# KiCad board dasic.kicad_pcb
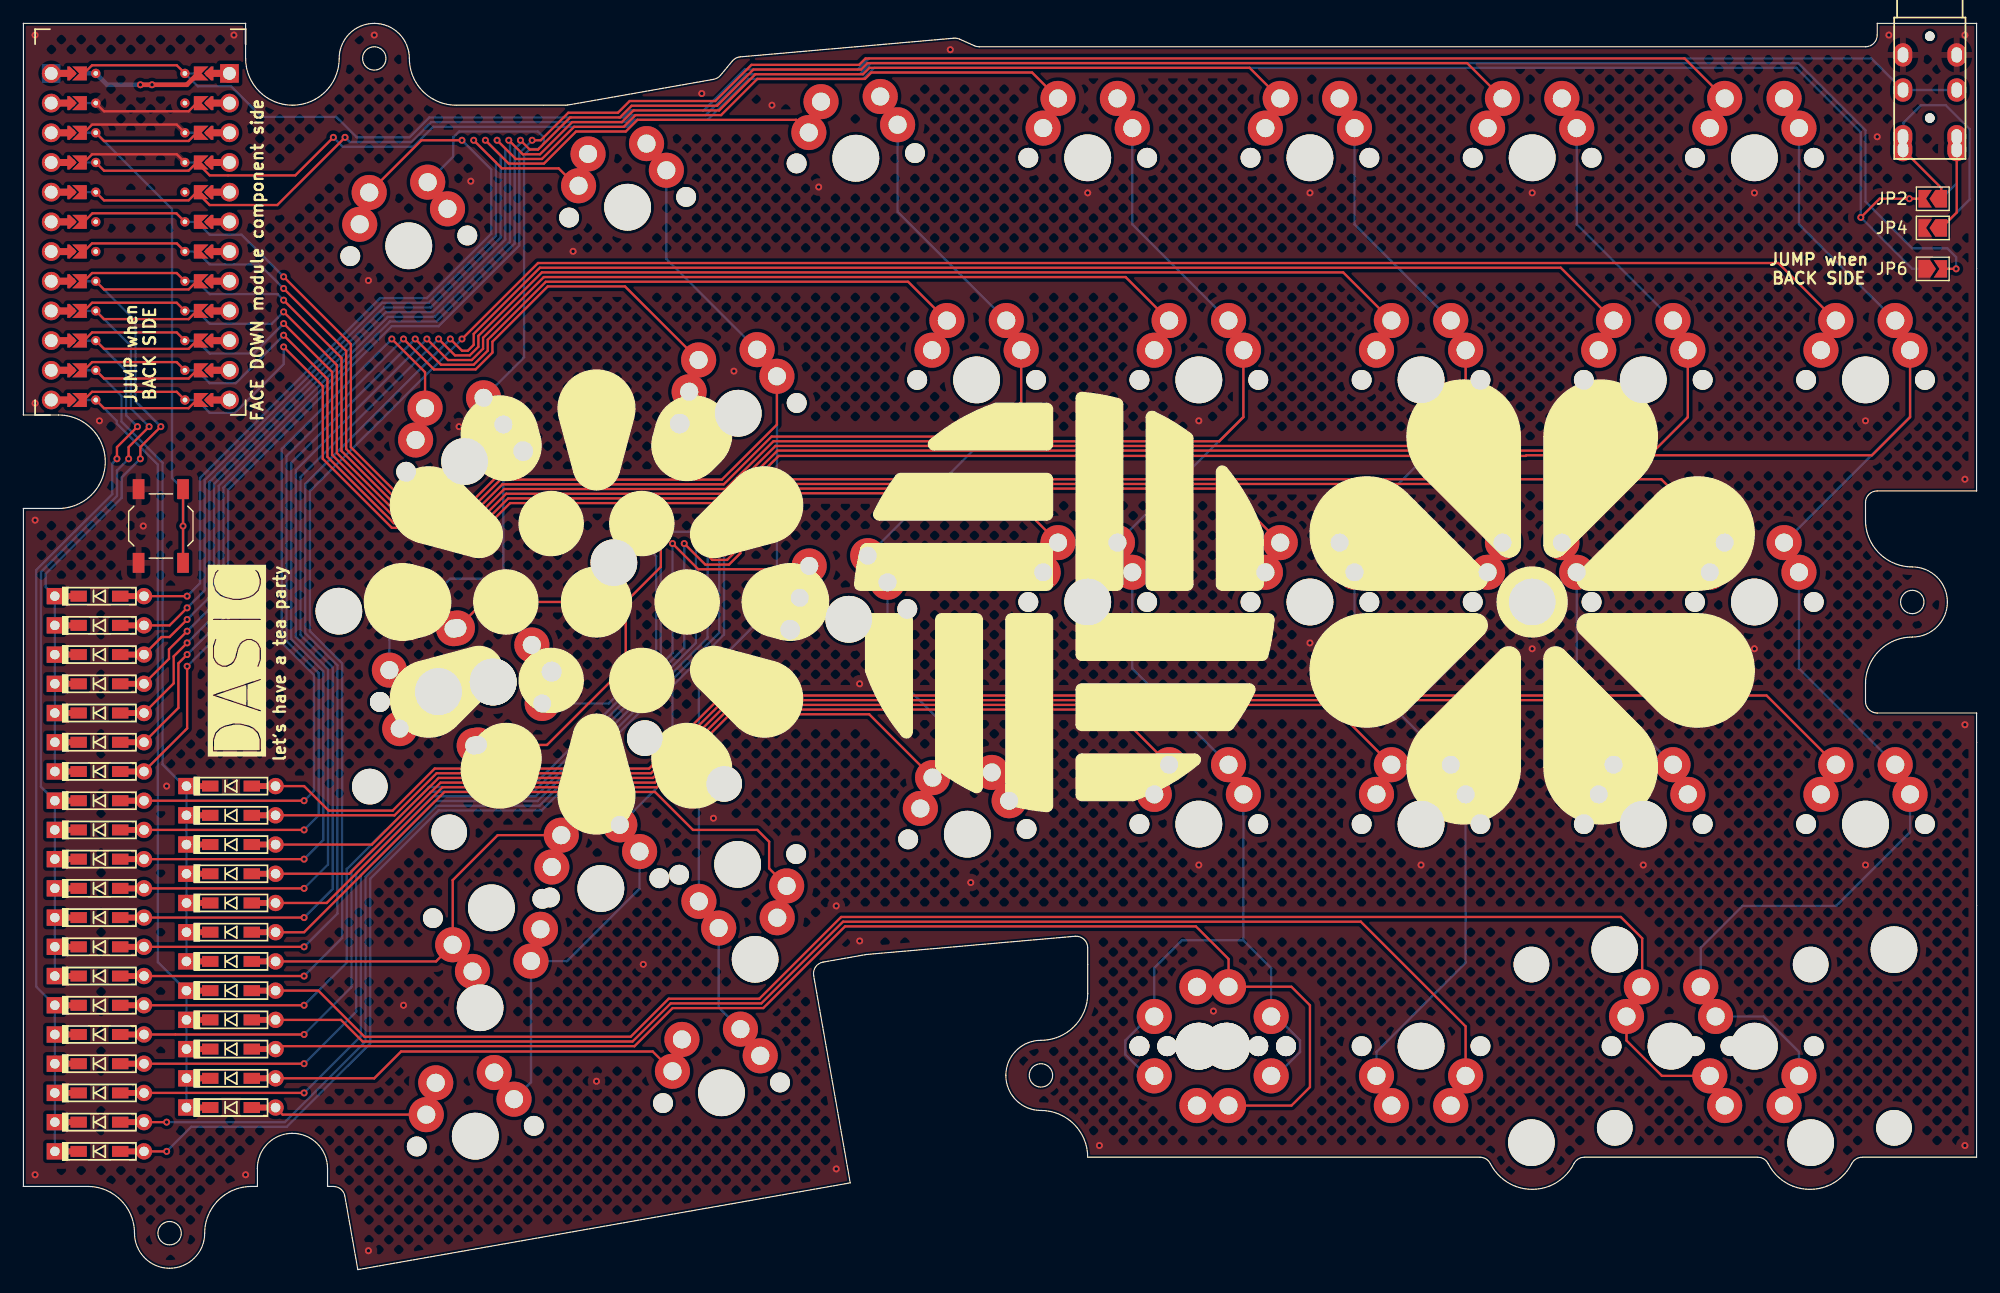
[diagram p0: board, top side]
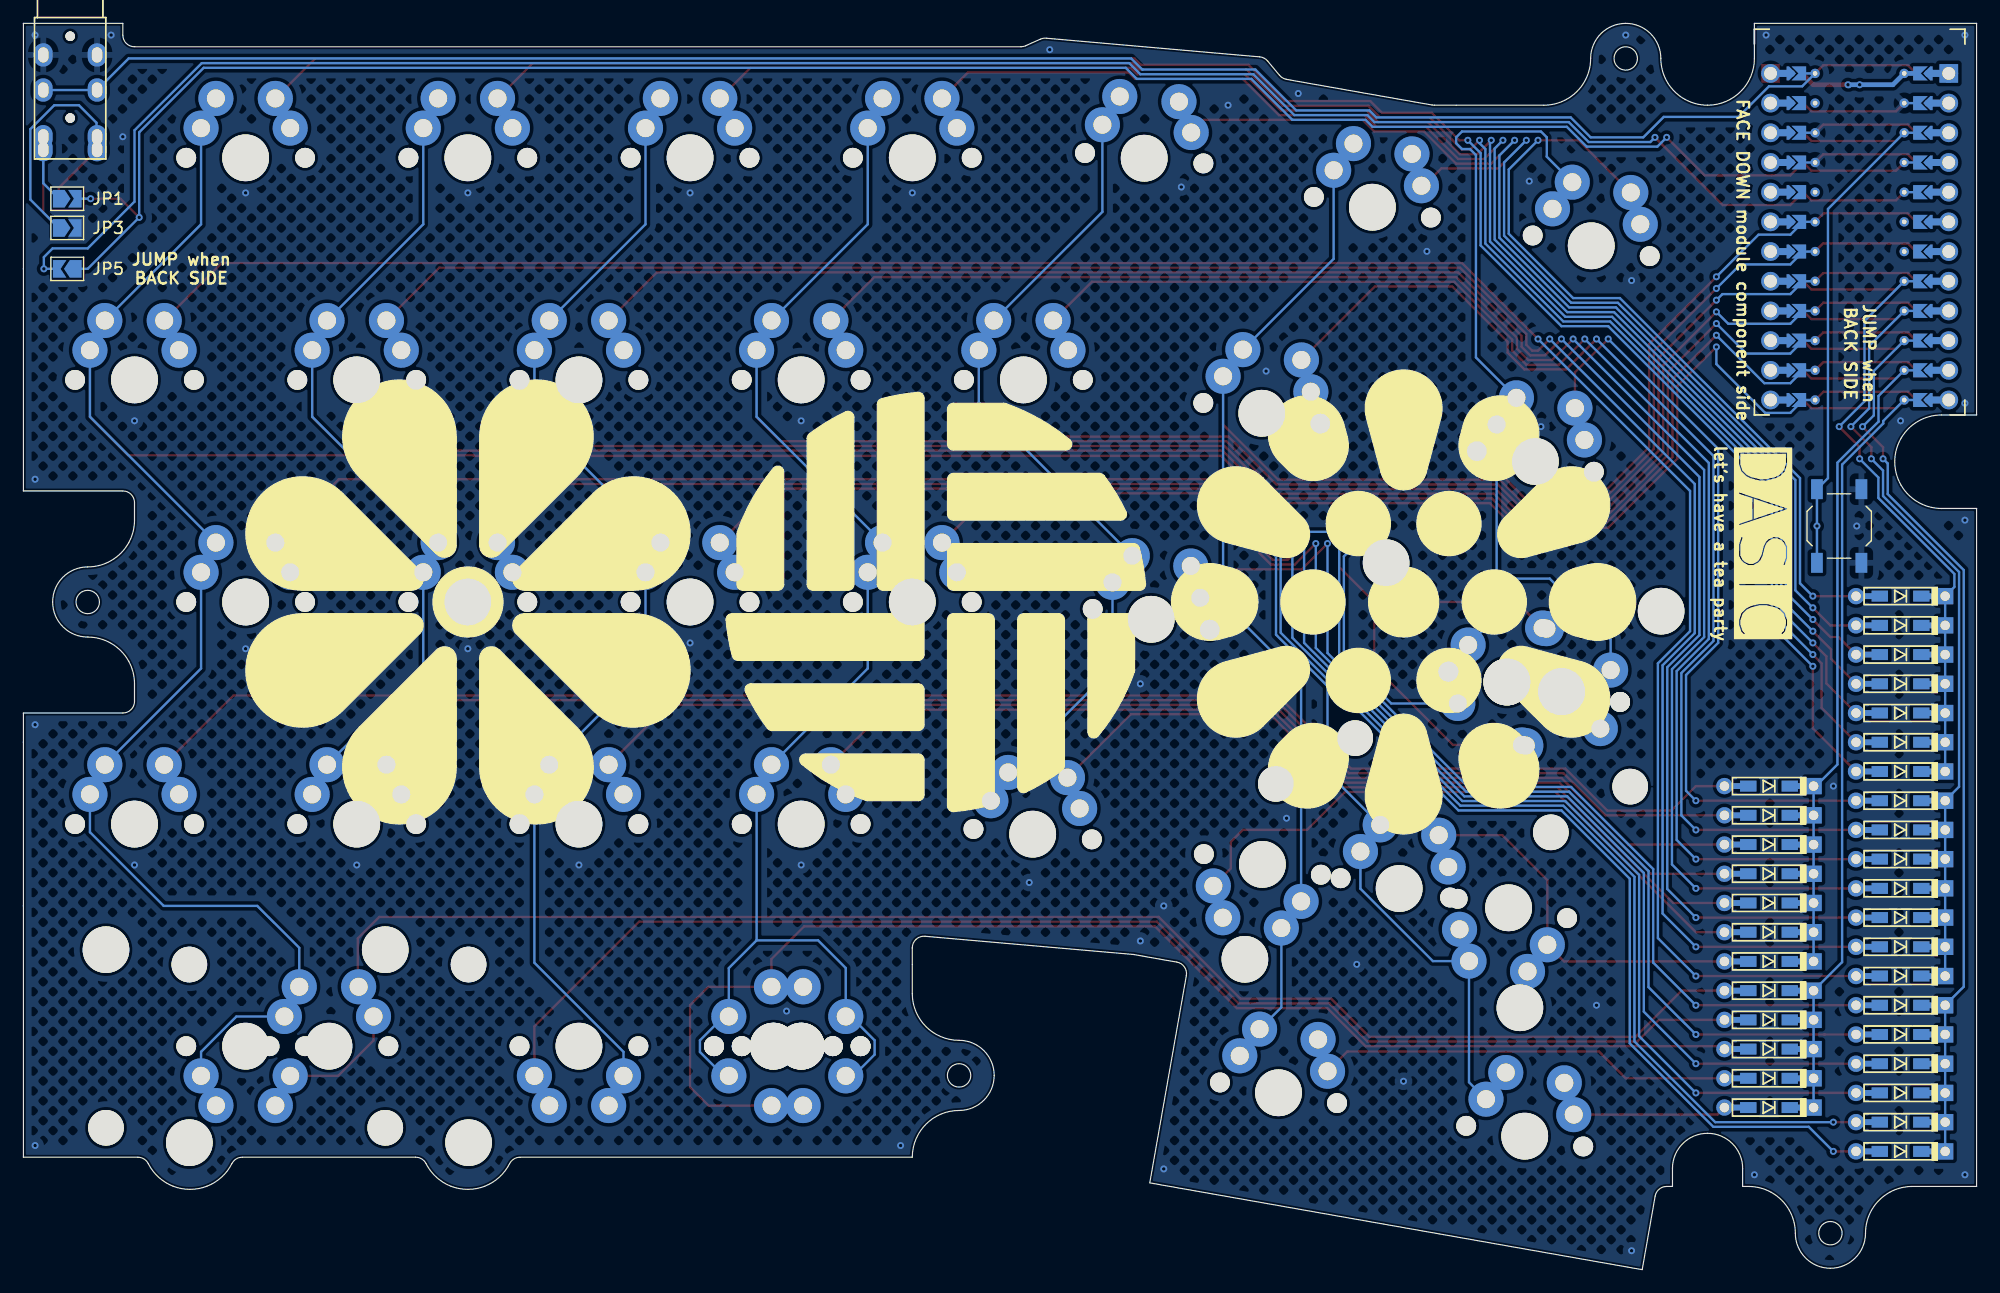
[diagram p1: board, bottom side, seen from below]

Outline 167 x 106.62 mm; copper layers: Top, Bottom. Coordinates in mm from the lower left corner of the outline.
Outline path: circle c12.5,3.12 r1 ; circle c30,103.62 r1 ; circle c87,16.62 r1 ; circle c161.5,57.12 r1 ; 3,65.12 0,65.12 0,7.12 5.5,7.12 ; 3,73.12 0,73.12 0,106.62 19,106.62 19,103.62 ; 20,8.66 20,7.12 19.5,7.12 ; 26,8.66 26,7.12 26.5,7.12 ; 27.48,6.29 28.59,0 70.69,7.42 67.57,25.15 ; 37,99.62 46.37,99.62 46.54,99.63 59.01,101.83 ; 59.6,102.17 60.61,103.39 ; 61.3,103.75 79.55,105.35 ; 68.38,26.31 72.03,26.95 72.12,26.96 89.91,28.52 ; 80.04,105.27 81.31,104.7 ; 81.71,104.62 157.5,104.62 ; 91,27.52 91,23.62 ; 124.53,9.62 91,9.62 ; 148.28,9.62 133.47,9.62 ; 157.5,65.62 157.5,64.12 ; 157.5,50.12 157.5,48.62 ; 158.5,105.62 158.5,106.62 167,106.62 167,66.62 158.5,66.62 ; 158.5,47.62 167,47.62 167,9.62 157.22,9.62

## Placement (name value [footprint] x y rotation side)
D1  D  [Diode_TH_SMD_REVERSIBLE]  6.5 57.62 0 top
D2  D  [Diode_TH_SMD_REVERSIBLE]  6.5 55.12 0 top
D3  D  [Diode_TH_SMD_REVERSIBLE]  6.5 52.62 0 top
D4  D  [Diode_TH_SMD_REVERSIBLE]  6.5 50.12 0 top
D5  D  [Diode_TH_SMD_REVERSIBLE]  6.5 47.62 0 top
D6  D  [Diode_TH_SMD_REVERSIBLE]  6.5 45.12 0 top
D7  D  [Diode_TH_SMD_REVERSIBLE]  6.5 42.62 0 top
D8  D  [Diode_TH_SMD_REVERSIBLE]  6.5 40.12 0 top
D9  D  [Diode_TH_SMD_REVERSIBLE]  6.5 37.62 0 top
D10  D  [Diode_TH_SMD_REVERSIBLE]  6.5 35.12 0 top
D11  D  [Diode_TH_SMD_REVERSIBLE]  6.5 32.62 0 top
D12  D  [Diode_TH_SMD_REVERSIBLE]  6.5 30.12 0 top
D13  D  [Diode_TH_SMD_REVERSIBLE]  6.5 27.62 0 top
D14  D  [Diode_TH_SMD_REVERSIBLE]  6.5 25.12 0 top
D15  D  [Diode_TH_SMD_REVERSIBLE]  6.5 22.62 0 top
D16  D  [Diode_TH_SMD_REVERSIBLE]  6.5 20.12 0 top
D17  D  [Diode_TH_SMD_REVERSIBLE]  6.5 17.62 0 top
D18  D  [Diode_TH_SMD_REVERSIBLE]  6.5 15.12 0 top
D19  D  [Diode_TH_SMD_REVERSIBLE]  6.5 12.62 0 top
D20  D  [Diode_TH_SMD_REVERSIBLE]  6.5 10.12 0 top
D21  D  [Diode_TH_SMD_REVERSIBLE#2]  17.75 26.37 0 bottom
D22  D  [Diode_TH_SMD_REVERSIBLE#2]  17.75 28.87 0 bottom
D23  D  [Diode_TH_SMD_REVERSIBLE#2]  17.75 31.37 0 bottom
D24  D  [Diode_TH_SMD_REVERSIBLE#2]  17.75 33.87 0 bottom
D25  D  [Diode_TH_SMD_REVERSIBLE#2]  17.75 36.37 0 bottom
D26  D  [Diode_TH_SMD_REVERSIBLE#2]  17.75 38.87 0 bottom
D27  D  [Diode_TH_SMD_REVERSIBLE#2]  17.75 41.37 0 bottom
D28  D  [Diode_TH_SMD_REVERSIBLE#2]  17.75 13.87 0 bottom
D29  D  [Diode_TH_SMD_REVERSIBLE#2]  17.75 16.37 0 bottom
D30  D  [Diode_TH_SMD_REVERSIBLE#2]  17.75 18.87 0 bottom
D31  D  [Diode_TH_SMD_REVERSIBLE#2]  17.75 21.37 0 bottom
D32  D  [Diode_TH_SMD_REVERSIBLE#2]  17.75 23.87 0 bottom
J1  AudioJack4  [TRRS-PJ-320A_PIN]  163 107.12 0 top
J2  AudioJack4  [TRRS-PJ-320A_PIN]  163 107.12 180 bottom
JP1  SolderJumper_2_Open  [SolderJumper-2_P1.3mm_Open_TrianglePad1.0x1.5mm]  163.25 91.62 180 bottom
JP2  SolderJumper_2_Open  [SolderJumper-2_P1.3mm_Open_TrianglePad1.0x1.5mm]  163.25 91.62 180 top
JP3  SolderJumper_2_Open  [SolderJumper-2_P1.3mm_Open_TrianglePad1.0x1.5mm]  163.25 89.12 180 bottom
JP4  SolderJumper_2_Open  [SolderJumper-2_P1.3mm_Open_TrianglePad1.0x1.5mm]  163.25 89.12 180 top
JP5  SolderJumper_2_Open  [SolderJumper-2_P1.3mm_Open_TrianglePad1.0x1.5mm]  163.25 85.62 0 bottom
JP6  SolderJumper_2_Open  [SolderJumper-2_P1.3mm_Open_TrianglePad1.0x1.5mm]  163.25 85.62 0 top
REF**  -  [StabilizerHole_2u]  40.16 50.27 190 top
REF**#2  -  [StabilizerHole_2u]  148 19.12 180 top
REF**#3  -  [StabilizerHole_2u]  49.37 32.6 10 top
REF**#4  -  [StabilizerHole_2u]  140.88 19.12 0 top
SW1  SW_Push  [MX_Mill-Max_FootprintPropertyFix]  32.95 87.59 10 top
SW2  SW_Push  [MX_Mill-Max_FootprintPropertyFix]  51.66 90.89 10 top
SW3  SW_Push  [MX_Mill-Max_FootprintPropertyFix]  71.17 95.08 5 top
SW4  SW_Push  [MX_Mill-Max_FootprintPropertyFix]  91 95.12 0 top
SW5  SW_Push  [MX_Mill-Max_FootprintPropertyFix]  110 95.12 0 top
SW6  SW_Push  [MX_Mill-Max_FootprintPropertyFix]  129 95.12 0 top
SW7  SW_Push  [MX_Mill-Max_FootprintPropertyFix]  148 95.12 0 top
SW8  SW_Push  [MX_Mill-Max_FootprintPropertyFix]  37.73 69.14 10 top
SW9  SW_Push  [MX_Mill-Max_FootprintPropertyFix]  61.12 73.26 10 top
SW10  SW_Push  [MX_Mill-Max_FootprintPropertyFix]  81.5 76.12 0 top
SW11  SW_Push  [MX_Mill-Max_FootprintPropertyFix]  100.5 76.12 0 top
SW12  SW_Push  [MX_Mill-Max_FootprintPropertyFix]  119.5 76.12 0 top
SW13  SW_Push  [MX_Mill-Max_FootprintPropertyFix]  138.5 76.12 0 top
SW14  SW_Push  [MX_Mill-Max_FootprintPropertyFix]  157.5 76.12 0 top
SW15  SW_Push  [MX_Mill-MaxOneside]  35.49 49.45 190 top
SW15#2  SW_Push  [MX_Mill-MaxOneside]  40.16 50.27 10 top
SW15#3  SW_Push  [MX_Mill-MaxOneside]  35.49 49.45 190 bottom
SW15#4  SW_Push  [MX_Mill-MaxOneside]  40.16 50.27 10 bottom
SW16  SW_Push  [MX_Mill-Max_FootprintPropertyFix]  70.57 55.63 10 top
SW17  SW_Push  [MX_Mill-Max_FootprintPropertyFix]  91 57.12 0 top
SW18  SW_Push  [MX_Mill-Max_FootprintPropertyFix]  110 57.12 0 top
SW19  SW_Push  [MX_Mill-Max_FootprintPropertyFix]  129 57.12 0 top
SW20  SW_Push  [MX_Mill-Max_FootprintPropertyFix]  148 57.12 0 top
SW21  SW_Push  [MX_Mill-Max_FootprintPropertyFix]  40.02 30.95 190 top
SW21#2  SW_Push  [MX_Mill-Max_FootprintPropertyFix]  49.37 32.6 10 top
SW22  SW_Push  [MX_Mill-Max_FootprintPropertyFix]  61.07 34.67 190 top
SW23  SW_Push  [MX_Mill-Max_FootprintPropertyFix]  80.71 37.25 5 top
SW24  SW_Push  [MX_Mill-Max_FootprintPropertyFix]  100.5 38.12 0 top
SW25  SW_Push  [MX_Mill-Max_FootprintPropertyFix]  119.5 38.12 0 top
SW26  SW_Push  [MX_Mill-Max_FootprintPropertyFix]  138.5 38.12 0 top
SW27  SW_Push  [MX_Mill-Max_FootprintPropertyFix]  157.5 38.12 0 top
SW28  SW_Push  [MX_Mill-Max_FootprintPropertyFix]  38.64 11.42 10 top
SW29  SW_Push  [MX_Mill-Max_FootprintPropertyFix]  59.69 15.13 10 top
SW30  SW_Push  [MX_Mill-MaxOneside]  100.5 19.12 180 top
SW30#2  SW_Push  [MX_Mill-MaxOneside]  102.88 19.12 0 top
SW30#3  SW_Push  [MX_Mill-MaxOneside]  102.88 19.12 0 bottom
SW30#4  SW_Push  [MX_Mill-MaxOneside]  100.5 19.12 180 bottom
SW31  SW_Push  [MX_Mill-Max_FootprintPropertyFix]  119.5 19.12 180 top
SW32  SW_Push  [MX_Mill-Max_FootprintPropertyFix]  140.88 19.12 180 bottom
SW32#2  SW_Push  [MX_Mill-Max_FootprintPropertyFix]  148 19.12 0 bottom
SW34  SW_Push  [SW_SPST_TL3342]  11.75 63.62 270 top
SW34#2  SW_Push  [SW_SPST_TL3342#2]  11.75 63.62 90 bottom
U1  ProMicro_r  [ProMicro_unrouted_flipped_FootprintPropertyFix]  10 88.37 270 bottom

## Library data of the parts
D1-D20 = -: Description: Diode; Sim.Pins: 1=K 2=A; ki_fp_filters: TO-???* *_Diode_* *SingleDiode* D_*
D21-D32 = -: Description: Diode; Sim.Pins: 1=K 2=A
J1 J2 = -: Description: Audio Jack, 4 Poles (TRRS); ki_fp_filters: Jack*
JP1-JP6 = -: Description: Solder Jumper, 2-pole, open; ki_fp_filters: SolderJumper*Open*
SW34 SW34#2 = -: Description: Push button switch, generic, two pins

## Footprints (pads in the part's own frame, mm; a bottom-side part is the same pattern mirrored in y, then rotated)
Diode_TH_SMD_REVERSIBLE
  rect 1.397x1.397 hole 0.813: 1(-3.81,0)
  rect 2x0.5 smd: 1(-2.75,0) 2(2.75,0)
  rect 2x0.5 smd far side: 1(-2.75,0) 2(2.75,0)
  rect 1.4x0.94 smd: 1(-1.775,0) 2(1.775,0)
  rect 1.4x0.94 smd far side: 1(-1.775,0) 2(1.775,0)
  round 1.397 hole 0.813: 2(3.81,0)
Diode_TH_SMD_REVERSIBLE#2
  rect 1.397x1.397 hole 0.813: 1(-3.81,0)
  rect 2x0.5 smd far side: 1(-2.75,0) 2(2.75,0)
  rect 2x0.5 smd: 1(-2.75,0) 2(2.75,0)
  rect 1.4x0.94 smd far side: 1(-1.775,0) 2(1.775,0)
  rect 1.4x0.94 smd: 1(-1.775,0) 2(1.775,0)
  round 1.397 hole 0.813: 2(3.81,0)
MX_Mill-Max_FootprintPropertyFix
  round 1.7 hole 1.7 unplated: (-5.08,0) (5.08,0)
  round 4 hole 4 unplated: (0,0)
  round 3 hole 1.55: 1(-3.81,2.54) 1(-2.54,5.08) 2(2.54,5.08) 2(3.81,2.54)
MX_Mill-MaxOneside
  round 1.7 hole 1.7 unplated: (-5.08,0) (5.08,0)
  round 4 hole 4 unplated: (0,0)
  round 3 hole 1.55: 1(-2.54,5.08) 2(3.81,2.54)
ProMicro_unrouted_flipped_FootprintPropertyFix
  round 1.6 hole 1.1: (-13.97,-7.62) (-13.97,7.62) (-11.43,-7.62) (-11.43,7.62) (-8.89,-7.62) (-8.89,7.62) (-6.35,-7.62) (-6.35,7.62) (-3.81,-7.62) (-3.81,7.62) (-1.27,-7.62) (-1.27,7.62) (1.27,-7.62) (1.27,7.62) (3.81,-7.62) (3.81,7.62) (6.35,-7.62) (6.35,7.62) (8.89,-7.62) (8.89,7.62) (11.43,-7.62) (11.43,7.62) (13.97,-7.62) (13.97,7.62)
  rect 1.6x1.6 smd far side: (-13.97,-7.62)
  custom 1.2x0.8 smd far side: (-13.97,-5.842) (-13.97,5.842) (-11.43,-5.842) (-11.43,5.842) (-8.89,-5.842) (-8.89,5.842) (-6.35,-5.842) (-6.35,5.842) (-3.81,-5.842) (-3.81,5.842) (-1.27,-5.842) (-1.27,5.842) (1.27,-5.842) (1.27,5.842) (3.81,-5.842) (3.81,5.842) (6.35,-5.842) (6.35,5.842) (8.89,-5.842) (8.89,5.842) (11.43,-5.842) (11.43,5.842) (13.97,-5.842) (13.97,5.842)
  custom 1.2x0.8 smd: (-13.97,-5.842) (-13.97,5.842) (-11.43,-5.842) (-11.43,5.842) (-8.89,-5.842) (-8.89,5.842) (-6.35,-5.842) (-6.35,5.842) (-3.81,-5.842) (-3.81,5.842) (-1.27,-5.842) (-1.27,5.842) (1.27,-5.842) (1.27,5.842) (3.81,-5.842) (3.81,5.842) (6.35,-5.842) (6.35,5.842) (8.89,-5.842) (8.89,5.842) (11.43,-5.842) (11.43,5.842) (13.97,-5.842) (13.97,5.842)
  rect 1.6x1.6 smd: (-13.97,7.62)
  custom 1.2x1.25 smd: 1(-13.97,-4.826) 2(-11.43,-4.826) 3(-8.89,-4.826) 4(-6.35,-4.826) 5(-3.81,-4.826) 6(-1.27,-4.826) 7(1.27,-4.826) 8(3.81,-4.826) 9(6.35,-4.826) 10(8.89,-4.826) 11(11.43,-4.826) 12(13.97,-4.826) 13(13.97,4.826) 14(11.43,4.826) 15(8.89,4.826) 16(6.35,4.826) 17(3.81,4.826) 18(1.27,4.826) 19(-1.27,4.826) 20(-3.81,4.826) 21(-6.35,4.826) 22(-8.89,4.826) 23(-11.43,4.826) 24(-13.97,4.826)
  round 0.8 hole 0.4: 1(-13.97,-3.81) 2(-11.43,-3.81) 3(-8.89,-3.81) 4(-6.35,-3.81) 5(-3.81,-3.81) 6(-1.27,-3.81) 7(1.27,-3.81) 8(3.81,-3.81) 9(6.35,-3.81) 10(8.89,-3.81) 11(11.43,-3.81) 12(13.97,-3.81) 13(13.97,3.81) 14(11.43,3.81) 15(8.89,3.81) 16(6.35,3.81) 17(3.81,3.81) 18(1.27,3.81) 19(-1.27,3.81) 20(-3.81,3.81) 21(-6.35,3.81) 22(-8.89,3.81) 23(-11.43,3.81) 24(-13.97,3.81)
  custom 1.2x1.25 smd far side: 1(-13.97,4.826) 2(-11.43,4.826) 3(-8.89,4.826) 4(-6.35,4.826) 5(-3.81,4.826) 6(-1.27,4.826) 7(1.27,4.826) 8(3.81,4.826) 9(6.35,4.826) 10(8.89,4.826) 11(11.43,4.826) 12(13.97,4.826) 13(13.97,-4.826) 14(11.43,-4.826) 15(8.89,-4.826) 16(6.35,-4.826) 17(3.81,-4.826) 18(1.27,-4.826) 19(-1.27,-4.826) 20(-3.81,-4.826) 21(-6.35,-4.826) 22(-8.89,-4.826) 23(-11.43,-4.826) 24(-13.97,-4.826)
SolderJumper-2_P1.3mm_Open_TrianglePad1.0x1.5mm
  custom 1.5x1.5 smd: 1(-0.725,0)
  custom 1.15x1.5 smd: 2(0.725,0)
StabilizerHole_2u
  round 3.988 hole 3.988 unplated: (-11.938,-8.255) (11.938,-8.255)
  round 3.048 hole 3.048 unplated: (-11.938,6.985) (11.938,6.985)
SW_SPST_TL3342
  rect 1.7x1 smd: 1(-3.15,1.9) 1(3.15,1.9) 2(-3.15,-1.9) 2(3.15,-1.9)
SW_SPST_TL3342#2
  rect 1.7x1 smd: 1(-3.15,1.9) 1(3.15,1.9) 2(-3.15,-1.9) 2(3.15,-1.9)
TRRS-PJ-320A_PIN
  round 0.8 hole 0.8 unplated: (0,-1.6) (0,-8.6)
  oval 1.6x2 hole 0.9x1.3: R1(2.3,-6.2) R2(2.3,-3.2) S(-2.3,-11.3) T(2.3,-10.2)

## Nets
GND: J1.R2 J2.R2 JP3.2 JP4.2 JP6.1 SW34.2 SW34#2.2 U1.3 U1.4 U1.23
VCC: JP1.2 JP2.2 JP5.1 U1.21
BAT+: U1.24
COL1: SW1.2 SW8.2 SW15.2 SW15#2.2 SW15#3.2 SW15#4.2 SW21.1 SW21#2.2 SW28.2 U1.6
COL2: SW2.2 SW9.2 SW22.2 SW29.2 U1.7
COL3: SW3.2 SW10.2 SW16.2 SW23.2 U1.8
COL4: SW4.2 SW11.2 SW17.2 SW24.2 SW30.2 SW30#2.2 SW30#3.2 SW30#4.2 U1.9
COL5: SW5.2 SW12.2 SW18.2 SW25.2 SW31.2 U1.10
COL6: SW6.2 SW13.2 SW19.2 SW26.2 U1.11
COL7: SW7.2 SW14.2 SW20.2 SW27.2 SW32.1 SW32#2.2 U1.12
HAND: JP5.2 JP6.2 U1.20
ROW1: D1.1 D2.1 D3.1 D4.1 D5.1 D6.1 D7.1 U1.17
ROW2: D8.1 D9.1 D10.1 D11.1 D12.1 D13.1 D14.1 U1.16
ROW3: D15.1 D16.1 D17.1 D18.1 D19.1 D20.1 U1.15
ROW4: D21.1 D22.1 D23.1 D24.1 D25.1 D26.1 D27.1 U1.14
ROW5: D28.1 D29.1 D30.1 D31.1 D32.1 U1.13
RST: SW34.1 SW34#2.1 U1.22
SERIAL: J1.R1 J2.R1 U1.1
Net-(D1-A): D1.2 SW1.1
Net-(D2-A): D2.2 SW2.1
Net-(D3-A): D3.2 SW3.1
Net-(D4-A): D4.2 SW4.1
Net-(D5-A): D5.2 SW5.1
Net-(D6-A): D6.2 SW6.1
Net-(D7-A): D7.2 SW7.1
Net-(D8-A): D8.2 SW8.1
Net-(D9-A): D9.2 SW9.1
Net-(D10-A): D10.2 SW10.1
Net-(D11-A): D11.2 SW11.1
Net-(D12-A): D12.2 SW12.1
Net-(D13-A): D13.2 SW13.1
Net-(D14-A): D14.2 SW14.1
Net-(D15-A): D15.2 SW15.1 SW15#2.1 SW15#3.1 SW15#4.1
Net-(D16-A): D16.2 SW16.1
Net-(D17-A): D17.2 SW17.1
Net-(D18-A): D18.2 SW18.1
Net-(D19-A): D19.2 SW19.1
Net-(D20-A): D20.2 SW20.1
Net-(D21-A): D21.2 SW21.2 SW21#2.1
Net-(D22-A): D22.2 SW22.1
Net-(D23-A): D23.2 SW23.1
Net-(D24-A): D24.2 SW24.1
Net-(D25-A): D25.2 SW25.1
Net-(D26-A): D26.2 SW26.1
Net-(D27-A): D27.2 SW27.1
Net-(D28-A): D28.2 SW28.1
Net-(D29-A): D29.2 SW29.1
Net-(D30-A): D30.2 SW30.1 SW30#2.1 SW30#3.1 SW30#4.1
Net-(D31-A): D31.2 SW31.1
Net-(D32-A): D32.2 SW32.2 SW32#2.1
Net-(JP1-A): J1.T J2.S JP1.1 JP4.1
Net-(JP2-A): J1.S J2.T JP2.1 JP3.1

Pads without a net: U1 2 5 18 19

## Via types
v1: diameter 0.6, hole 0.3, Top to Bottom, 115 vias

## Routing (per net, layer and track width the routed paths; a pad name or vN(x,y) marks a point on that pad's centre or on a via; arc(x,y) is an arc through that point)
GND: length 30.7
  Top w0.2: U1.23 6.89,99.09 14.12,99.09 U1.23 ; U1.3 13.11,97.96 5.88,97.96 U1.3 ; U1.4 13.11,95.42 5.88,95.42 U1.4
  Bottom w0.2: U1.23 U1.23 ; U1.3 U1.3 ; U1.4 U1.4
  vias: v1(1,105.62) v1(1,74.12) v1(1,64.12) v1(1,8.12) v1(6.5,72.62) v1(10.25,63.62) v1(12.25,41.37) v1(18,105.62) v1(19,8.12) v1(29.5,84.62) v1(29.5,1.62) v1(30,105.62) v1(32.5,22.62) v1(37.25,72.12) v1(38.25,93.12) v1(47,87.12) v1(49,16.12) v1(53,26.12) v1(58,100.62) v1(59,38.62) v1(60.75,76.87) v1(64,99.62) v1(68,92.62) v1(69.5,31.12) v1(69.5,8.62) v1(71.5,50.12) v1(71.5,28.12) v1(79.25,104.37) v1(81,33.12) v1(81.5,72.62) v1(91,92.12) v1(91,53.62) v1(92,10.62) v1(100.5,72.62) v1(100.5,34.62) v1(101.75,22.12) v1(110,92.12) v1(110,53.62) v1(119.5,72.62) v1(119.5,34.62) v1(129,92.12) v1(129,53.12) v1(138.5,72.62) v1(138.5,34.62) v1(148,92.12) v1(148,53.12) v1(157.5,72.62) v1(157.5,34.62) v1(158.5,96.92) v1(159.5,105.62) v1(166,105.62) v1(166,67.62) v1(166,46.62) v1(166,10.62)
VCC: length 181.6
  Top w0.2: v1(26.5,96.87) 23.25,93.61 15.93,93.61 U1.21 14.12,94.01 6.89,94.01 U1.21 ; JP2.2 v1(161.25,91.62) 158.7,91.62 v1(157.1,90.02)
  Bottom w0.2: v1(26.5,96.87) 27.3,96.06 33.33,96.06 35.04,97.77 51.65,97.77 52.25,98.37 58.5,98.37 62,101.87 71.8,101.87 72.75,102.81 151.58,102.81 157.1,97.3 v1(157.1,90.02) 161.5,85.62 JP5.1 ; U1.21 U1.21 ; v1(161.25,91.62) JP2.2
(no net): length 85.3
  Top w0.6: 2.38,92.18 4.16,92.18 ; 2.38,79.48 4.16,79.48 ; 17.62,99.8 15.84,99.8 ; 2.38,76.94 4.16,76.94 ; 17.62,87.1 15.84,87.1 ; 2.38,84.56 4.16,84.56 ; 17.62,102.34 15.84,102.34 ; 2.38,74.4 4.16,74.4 ; 17.62,74.4 15.84,74.4 ; 17.62,79.48 15.84,79.48 ; 17.62,82.02 15.84,82.02 ; 2.38,82.02 4.16,82.02 ; 17.62,89.64 15.84,89.64 ; 2.38,89.64 4.16,89.64 ; 17.62,97.26 15.84,97.26 ; 2.38,94.72 4.16,94.72 ; 2.38,97.26 4.16,97.26 ; 17.62,84.56 15.84,84.56 ; 2.38,87.1 4.16,87.1 ; 2.38,99.8 4.16,99.8 ; 17.62,76.94 15.84,76.94 ; 17.62,94.72 15.84,94.72 ; 2.38,102.34 4.16,102.34 ; 17.62,92.18 15.84,92.18
  Bottom w0.6: 17.62,84.56 15.84,84.56 ; 17.62,76.94 15.84,76.94 ; 2.38,82.02 4.16,82.02 ; 17.62,89.64 15.84,89.64 ; 2.38,94.72 4.16,94.72 ; 17.62,82.02 15.84,82.02 ; 17.62,87.1 15.84,87.1 ; 17.62,92.18 15.84,92.18 ; 2.38,89.64 4.16,89.64 ; 2.38,102.34 4.16,102.34 ; 2.38,76.94 4.16,76.94 ; 2.38,84.56 4.16,84.56 ; 2.38,99.8 4.16,99.8 ; 17.62,97.26 15.84,97.26 ; 15.84,99.8 17.62,99.8 ; 2.38,97.26 4.16,97.26 ; 2.38,87.1 4.16,87.1 ; 17.62,102.34 15.84,102.34 ; 4.16,92.18 2.38,92.18 ; 17.62,79.48 15.84,79.48 ; 17.62,94.72 15.84,94.72 ; 2.38,79.48 4.16,79.48 ; 2.38,74.4 4.16,74.4 ; 17.62,74.4 15.84,74.4
BAT+: length 11.7
  Top w0.4: v1(10,101.37) 13.97,101.37 14.83,102.22 U1.24
  Bottom w0.4: U1.24 U1.24 7.16,101.37 v1(11,101.37) 10.9,101.27
COL1: length 224.4
  Top w0.2: v1(22.25,84.94) 28,79.19 28,70.37 32.5,65.87 38.5,65.87 41.04,68.4 SW8.2 ; U1.6 5.9,90.37 13.08,90.37 U1.6
  Bottom w0.2: SW21#2.2 55.5,42.56 55.5,49.92 59.9,54.32 59.9,61.02 60.5,61.62 60.5,62.62 60,63.12 54,63.12 53.5,62.62 53.5,61.62 54.1,61.02 54.1,52.49 50.05,48.43 SW15#4.2 43.48,49.32 SW15#2.2 41.04,55.87 41.04,59.12 ; SW8.2 41.04,59.12 ; 41.04,59.12 36.5,59.12 31.29,53.91 SW15#3.2 32.18,50.41 SW15.2 ; v1(22.25,84.94) 18.65,88.53 15.93,88.53 U1.6 U1.6 ; SW1.2 36.75,95.21 36.75,96.87 37.25,97.37 44,97.37 44.5,96.87 44.5,96.37 44,95.87 43.32,95.87 42.81,95.36 42.81,78.04 SW8.2 ; SW28.2 43.4,16.03 SW21.1 46.49,26.39 52.68,32.59 SW21#2.2
COL2: length 156.4
  Top w0.2: v1(22.25,83.94) 27.6,78.59 27.6,70.2 32.33,65.46 38.67,65.46 40.78,67.58 59.72,67.58 64.43,72.29 SW9.2 ; U1.7 5.88,87.8 13.11,87.8 U1.7
  Bottom w0.2: 22.18,83.94 v1(22.25,83.94) 20.19,85.99 15.93,85.99 U1.7 U1.7 ; SW22.2 59.45,22.43 SW29.2 ; SW9.2 64.43,57.04 57.76,50.37 SW22.2 ; SW2.2 54.97,86.47 SW9.2
COL3: length 165.2
  Top w0.2: v1(22.25,82.94) 27.2,77.99 27.2,70.03 32.17,65.06 38.83,65.06 40.95,67.18 59.88,67.18 63.97,71.27 82.37,71.27 85.31,74.21 SW10.2 ; U1.8 13.11,85.26 5.88,85.26 U1.8
  Bottom w0.2: SW10.2 85.31,74.2 SW16.2 ; U1.8 U1.8 15.93,83.45 21.73,83.45 v1(22.25,82.94) ; SW23.2 73.88,51.45 SW16.2 ; SW3.2 74.75,90.49 SW10.2
COL4: length 230.1
  Top w0.2: SW11.2 104.31,72.93 102.25,70.87 64.13,70.87 60.05,66.78 41.12,66.78 39,64.66 32,64.66 26.8,69.87 26.8,77.39 v1(22.25,81.94) ; U1.9 13.11,82.72 5.88,82.72 U1.9
  Bottom w0.2: SW11.2 94.81,89.43 SW4.2 ; U1.9 U1.9 15.93,80.91 21.23,80.91 v1(22.25,81.94) ; SW11.2 104.31,72.97 SW17.2 ; SW24.2 94.81,51.43 SW17.2 ; SW30.2 96.04,16.58 94.22,18.4 94.22,19.61 96.26,21.66 SW30#4.2 96.69,25.81 99.06,28.17 104.31,28.17 ; 104.31,28.17 106.69,25.8 SW30#2.2 107.11,21.66 109.16,19.61 109.16,18.62 107.11,16.58 SW30#3.2 ; 104.31,28.17 SW24.2
COL5: length 228.5
  Top w0.2: U1.10 5.88,80.18 13.11,80.18 U1.10 ; v1(22.25,80.94) 26.4,76.79 26.4,69.7 31.84,64.26 39.16,64.26 41.28,66.38 60.21,66.38 64.3,70.46 120.85,70.46 123.31,72.93 SW12.2
  Bottom w0.2: SW25.2 123.31,26.25 115.69,18.63 SW31.2 ; SW5.2 113.81,89.43 SW12.2 ; SW12.2 123.31,72.97 SW18.2 ; SW25.2 113.81,51.43 SW18.2 ; U1.10 U1.10 15.94,78.37 19.68,78.37 v1(22.25,80.94)
COL6: length 220.6
  Top w0.2: v1(22.25,79.94) 26,76.19 26,69.54 31.67,63.86 39.33,63.86 41.45,65.98 60.38,65.98 64.47,70.06 139.45,70.06 142.31,72.93 SW13.2 ; U1.11 5.88,77.64 13.11,77.64 U1.11
  Bottom w0.2: v1(22.25,79.94) 18.15,75.83 15.93,75.83 U1.11 U1.11 ; SW19.2 142.31,72.97 SW13.2 ; SW13.2 132.81,89.43 SW6.2 ; SW19.2 132.81,51.43 SW26.2
COL7: length 279.7
  Top w0.2: v1(22.25,78.94) 25.59,75.59 25.59,69.37 31.5,63.46 39.5,63.46 41.61,65.58 60.55,65.58 64.59,69.62 128.45,69.62 128.5,69.66 158.05,69.66 161.31,72.93 SW14.2 ; U1.12 5.88,75.1 13.11,75.1 U1.12
  Bottom w0.2: SW20.2 151.81,51.43 SW27.2 ; SW32.1 143.42,27.53 147,31.12 155,31.12 161.31,37.43 SW27.2 ; SW14.2 151.81,89.43 SW7.2 ; SW20.2 161.31,72.97 SW14.2 ; U1.12 U1.12 15.93,73.29 18.08,73.29 22.25,77.47 v1(22.25,78.94) ; SW32.1 148.78,21.66 151.81,18.63 SW32#2.2
HAND: length 180.5
  Top w0.2: U1.20 6.89,91.47 14.12,91.47 U1.20 15.93,91.07 21.71,91.07 v1(27.5,96.87) ; v1(165.25,85.62) JP6.2
  Bottom w0.2: U1.20 U1.20 ; JP6.2 v1(165.25,85.62) 165.25,86.62 164.5,87.37 161.5,87.37 157.5,91.37 157.5,97.46 151.75,103.21 72.45,103.21 71.5,102.27 61.83,102.27 58.33,98.77 52.08,98.77 51.48,98.17 34.87,98.17 33.17,96.46 27.9,96.46 v1(27.5,96.87)
ROW1: length 58.9
  Top w0.2: U1.17 14.12,83.85 6.89,83.85 U1.17 ; v1(10,69.37) 10,70.37 v1(11.75,72.12)
  Bottom w0.2: D7.1 D1.1 1.9,58.4 1.9,59.52 8.4,66.02 8.4,67.77 v1(10,69.37) ; U1.17 U1.17 9.59,81.16 9.59,74.28 v1(11.75,72.12)
ROW2: length 73.3
  Top w0.2: U1.16 6.89,81.31 14.12,81.31 U1.16 ; v1(10.75,72.12) 9,70.37 v1(9,69.37)
  Bottom w0.2: U1.16 U1.16 9.19,79.02 9.19,73.68 v1(10.75,72.12) ; D14.1 D8.1 1.5,41.31 1.5,59.68 8,66.18 8,68.37 v1(9,69.37)
ROW3: length 85.3
  Top w0.2: v1(8,69.37) 8,70.37 v1(9.75,72.12) ; U1.15 6.89,78.77 14.12,78.77 U1.15
  Bottom w0.2: U1.15 U1.15 8.79,76.88 8.79,73.08 v1(9.75,72.12) ; v1(8,69.37) 7.6,68.96 7.6,66.35 1.1,59.85 1.1,24.21 D15.1 D20.1
ROW4: length 64.1
  Top w0.2: U1.14 6.89,76.23 14.12,76.23 U1.14
  Bottom w0.2: U1.14 U1.14 8.39,74.74 8.39,72.55 11.9,69.03 11.9,43.21 13.75,41.37 D27.1 D21.1
ROW5: length 74
  Top w0.2: U1.13 14.12,73.69 6.89,73.69 U1.13
  Bottom w0.2: U1.13 U1.13 7.98,72.6 7.98,72.38 11.5,68.87 11.5,26.31 D32.1 D28.1
RST: length 56.4
  Top w0.2: U1.22 6.89,96.55 14.12,96.55 U1.22 ; SW34.1 v1(13.65,63.62) SW34.1
  Bottom w0.2: U1.22 U1.22 12.71,90.74 12.71,67.71 SW34.1 SW34.1
SERIAL: length 168
  Top w0.2: U1.1 13.11,103.04 5.88,103.04 U1.1
  Bottom w0.2: J2.R1 158,103.62 72.28,103.62 71.33,102.67 61.67,102.67 58.17,99.17 51.92,99.17 51.32,98.57 34.7,98.57 33,96.87 28.5,96.87 26.75,98.62 20.37,98.62 17.75,101.23 14.91,101.23 U1.1 U1.1 ; J2.R1 160.7,100.82 ; J2.R1 J1.R1
Net-(D1-A): length 66.6
  Top w0.2: SW1.1 34.03,96.62 v1(37.5,96.62) ; v1(14,57.62) D1.2
  Bottom w0.2: v1(14,57.62) 15.1,58.71 15.1,67.71 30.5,83.12 34.5,83.12 40,88.62 40,94.12 v1(37.5,96.62)
Net-(D2-A): length 69
  Top w0.2: D2.2 12.5,55.12 v1(14,56.62) ; v1(38.5,96.62) 40.9,94.21 45.76,94.21 47.25,92.73 SW2.1
  Bottom w0.2: v1(38.5,96.62) 40.4,94.71 40.4,88.45 34.67,82.71 30.67,82.71 15.5,67.55 15.5,58.12 v1(14,56.62)
Net-(D3-A): length 90.4
  Top w0.2: v1(39.5,96.62) 41.5,94.62 44.5,94.62 47.25,97.37 51.5,97.37 52.5,98.37 66.07,98.37 SW3.1 ; v1(14,55.62) 12.5,54.12 11.81,54.12 D3.2
  Bottom w0.2: v1(39.5,96.62) 40.8,95.31 40.8,88.28 34.83,82.31 30.83,82.31 15.9,67.38 15.9,57.52 v1(14,55.62)
Net-(D4-A): length 114.5
  Top w0.2: v1(14,54.62) 12.45,53.06 12.45,52.25 D4.2 ; SW4.1 86.24,102.41 72.5,102.41 71.95,101.87 62.75,101.87 59.65,98.77 52.33,98.77 51.33,97.77 47.08,97.77 44.33,95.02 42.1,95.02 v1(40.5,96.62)
  Bottom w0.2: v1(14,54.62) 16.3,56.92 16.3,67.22 31,81.91 35,81.91 41.2,88.12 41.2,95.91 v1(40.5,96.62)
Net-(D5-A): length 135
  Top w0.2: SW5.1 104.84,102.81 72.33,102.81 71.79,102.27 62.58,102.27 59.48,99.17 52.17,99.17 51.17,98.17 46.92,98.17 44.17,95.42 42.7,95.42 v1(41.5,96.62) ; D5.2 12.85,50.15 12.85,52.46 v1(14,53.62)
  Bottom w0.2: v1(41.5,96.62) 41.6,96.51 41.6,87.95 35.16,81.51 31.16,81.51 16.7,67.05 16.7,56.32 v1(14,53.62)
Net-(D6-A): length 155.8
  Top w0.2: D6.2 13.25,48.06 13.25,51.87 v1(14,52.62) ; v1(42.5,96.62) 43.3,95.82 44,95.82 46.75,98.57 51,98.57 52,99.57 59.32,99.57 62.42,102.67 71.62,102.67 72.17,103.21 123.44,103.21 SW6.1
  Bottom w0.2: v1(42.5,96.62) 42.5,96.37 42.01,95.87 42.01,87.79 35.33,81.11 31.33,81.11 17.1,66.88 17.1,55.72 v1(14,52.62)
Net-(D7-A): length 176.4
  Top w0.2: v1(14,51.62) 14,46.31 D7.2 ; v1(43.5,96.62) 44.23,96.62 46.59,98.97 50.84,98.97 51.84,99.97 59.15,99.97 62.25,103.07 71.45,103.07 72,103.62 142.04,103.62 SW7.1
  Bottom w0.2: v1(14,51.62) 17.5,55.12 17.5,66.72 31.5,80.71 35.5,80.71 42.41,87.62 42.41,95.52 v1(43.5,96.62)
Net-(D8-A): length 65.7
  Top w0.2: D8.2 v1(24,40.12) ; v1(31.5,79.62) 34.34,76.77 SW8.1
  Bottom w0.2: v1(31.5,79.62) 22.09,70.21 22.09,53.62 24.84,50.87 24.84,40.96 v1(24,40.12)
Net-(D9-A): length 93.9
  Top w0.2: D9.2 v1(24,37.62) ; SW9.1 51.44,84.11 44.83,84.11 40.1,79.38 40.1,78.45 38.66,77.01 35.1,77.01 v1(32.5,79.62)
  Bottom w0.2: v1(24,37.62) 25.25,38.86 25.25,51.04 22.5,53.79 22.5,69.61 v1(32.5,79.62)
Net-(D10-A): length 115.6
  Top w0.2: SW10.1 75.64,84.51 44.66,84.51 39.7,79.55 39.7,78.62 38.5,77.41 35.7,77.41 v1(33.5,79.62) ; D10.2 v1(24,35.12)
  Bottom w0.2: v1(33.5,79.62) 22.9,69.01 22.9,53.95 25.65,51.2 25.65,36.76 v1(24,35.12)
Net-(D11-A): length 136.6
  Top w0.2: v1(34.5,79.62) 36.3,77.81 38.33,77.81 39.3,78.78 39.3,79.72 44.5,84.91 94.24,84.91 SW11.1 ; D11.2 v1(24,32.62)
  Bottom w0.2: v1(34.5,79.62) 23.3,68.41 23.3,54.12 26.05,51.37 26.05,34.66 v1(24,32.62)
Net-(D12-A): length 157.5
  Top w0.2: D12.2 v1(24,30.12) ; v1(35.5,79.62) 36.9,78.21 38.17,78.21 38.9,78.95 38.9,79.88 44.33,85.31 112.84,85.31 SW12.1
  Bottom w0.2: v1(24,30.12) 26.45,32.56 26.45,51.53 23.7,54.28 23.7,67.81 v1(35.5,79.62)
Net-(D13-A): length 178.4
  Top w0.2: v1(36.5,79.62) 37.5,78.62 38,78.62 38.5,79.12 38.5,80.05 44.17,85.71 131.44,85.71 SW13.1 ; D13.2 v1(24,27.62)
  Bottom w0.2: v1(24,27.62) 26.85,30.46 26.85,51.7 24.1,54.45 24.1,67.21 v1(36.5,79.62)
Net-(D14-A): length 198.3
  Top w0.2: D14.2 v1(24,25.12) ; v1(37.5,79.62) 44,86.12 150.04,86.12 SW14.1
  Bottom w0.2: v1(24,25.12) 27.25,28.37 27.25,51.87 24.5,54.62 24.5,66.62 v1(37.5,79.62)
Net-(D15-A): length 113.5
  Top w0.2: SW15.1 44.77,44.89 51.5,51.62 51.5,57.12 ; 51.5,57.12 39.33,57.12 SW15#3.1 ; 51.5,57.12 54.5,60.12 v1(54.5,62.12) ; v1(24,22.62) D15.2
  Bottom w0.2: v1(24,22.62) 27.65,26.27 27.65,34.27 34.67,41.29 43.47,41.29 54.5,52.32 v1(54.5,62.12)
Net-(D16-A): length 86.7
  Top w0.2: v1(55.5,62.12) 57.7,59.91 63.94,59.91 SW16.1 ; v1(24,20.12) D16.2
  Bottom w0.2: v1(55.5,62.12) 55.5,52.75 43.64,40.89 34.84,40.89 28.05,34.1 28.05,24.17 v1(24,20.12)
Net-(D17-A): length 114.3
  Top w0.2: SW17.1 84.24,66.41 65.5,66.41 61.3,62.22 61.3,61.28 60.33,60.31 58.3,60.31 v1(56.5,62.12) ; v1(24,17.62) D17.2
  Bottom w0.2: v1(24,17.62) 28.45,22.07 28.45,33.94 35,40.49 43.8,40.49 56.5,53.19 v1(56.5,62.12)
Net-(D18-A): length 135.2
  Top w0.2: SW18.1 102.84,66.81 65.33,66.81 60.9,62.38 60.9,61.45 60.17,60.71 58.9,60.71 v1(57.5,62.12) ; v1(24,15.12) D18.2
  Bottom w0.2: v1(24,15.12) 28.85,19.97 28.85,33.77 35.17,40.09 43.97,40.09 57.5,53.62 v1(57.5,62.12)
Net-(D19-A): length 155.2
  Top w0.2: D19.2 v1(12.25,12.62) ; SW19.1 121.44,67.21 65.17,67.21 60.5,62.55 60.5,61.62 60,61.12 59.5,61.12 v1(58.5,62.12)
  Bottom w0.2: v1(58.5,62.12) 58.5,54.05 44.13,39.69 35.33,39.69 29.25,33.61 29.25,19.52 22.35,12.62 v1(12.25,12.62)
Net-(D20-A): length 173.9
  Top w0.2: D20.2 v1(12.25,10.12) ; v1(59.5,62.12) 65,67.62 140.04,67.62 SW20.1
  Bottom w0.2: v1(12.25,10.12) 14.35,12.21 22.52,12.21 29.66,19.35 29.66,33.44 35.5,39.28 44.3,39.28 59.5,54.49 v1(59.5,62.12)
Net-(D21-A): length 32.1
  Top w0.2: D21.2 35.28,26.37 SW21.2 36.71,33.32 40.55,37.17 SW21#2.1
Net-(D22-A): length 53.3
  Top w0.2: SW22.1 63.76,34.33 63.76,36.61 62.75,37.62 57.25,37.62 54,40.86 36,40.86 24,28.87 D22.2
Net-(D23-A): length 65.1
  Top w0.2: SW23.1 72.31,47.51 60.41,47.51 54.16,41.26 35.83,41.26 25.93,31.37 D23.2
Net-(D24-A): length 84.2
  Top w0.2: SW24.1 93.24,47.91 60.25,47.91 54,41.66 35.66,41.66 27.87,33.87 D24.2
Net-(D25-A): length 102.5
  Top w0.2: D25.2 29.8,36.37 35.5,42.06 53.83,42.06 60.08,48.31 111.84,48.31 SW25.1
Net-(D26-A): length 120.8
  Top w0.2: D26.2 31.73,38.87 35.33,42.46 53.67,42.46 59.92,48.71 130.44,48.71 SW26.1
Net-(D27-A): length 140.8
  Top w0.2: D27.2 24,41.37 26.1,39.27 31.57,39.27 35.16,42.87 53.5,42.87 59.75,49.12 149.04,49.12 SW27.1
Net-(D28-A): length 13.1
  Top w0.2: D28.2 22.17,13.26 SW28.1
Net-(D29-A): length 35.6
  Top w0.2: SW29.1 53.8,18.66 32.3,18.66 30,16.37 D29.2
Net-(D30-A): length 111.6
  Top w0.2: SW30.1 108.42,14.04 110,15.62 110,22.62 108.42,24.2 SW30#4.1 103.04,26.57 100.25,29.37 70.25,29.37 63.26,22.37 55.51,22.37 52.25,19.12 21.81,19.12 D30.2
Net-(D31-A): length 114.7
  Top w0.2: D31.2 27.15,21.37 29,19.52 52.08,19.52 55.34,22.78 63.09,22.78 70.08,29.77 114.35,29.77 123.31,20.81 SW31.1
Net-(D32-A): length 138.1
  Top w0.2: SW32.2 137.07,19.6 140.09,16.58 SW32#2.1 ; D32.2 25.22,23.87 29.17,19.92 51.92,19.92 55.18,23.18 62.93,23.18 69.92,30.17 136.58,30.17 138.41,28.34 138.41,24.27 SW32.2
Net-(JP1-A): length 12
  Top w0.2: J2.S 165.3,90.44 JP4.1
  Bottom w0.2: JP1.1 165.3,92.94 J2.S
Net-(JP2-A): length 23.4
  Top w0.2: J1.S 163.97,92.54 JP2.1
  Bottom w0.2: J2.T 160.75,96.97 160.75,98.12 162.25,99.62 164.36,99.62 166.4,97.57 166.4,91.54 JP3.1

## Copper pours and planes (outline as drawn; the poured copper is in the pictures)
GND on Top, Bottom: -1,112.62 168,112.62 168,-5.38 -1,-5.38

## Text on the board
B.Silkscreen: JUMP when / BACK SIDE | let's have a tea party | FACE DOWN module component side | 다식DASIC
F.Silkscreen: JUMP when / BACK SIDE | let's have a tea party | FACE DOWN module component side | 다식DASIC
